# KiCad board MB1635_good_conversion.kicad_pcb (continued)
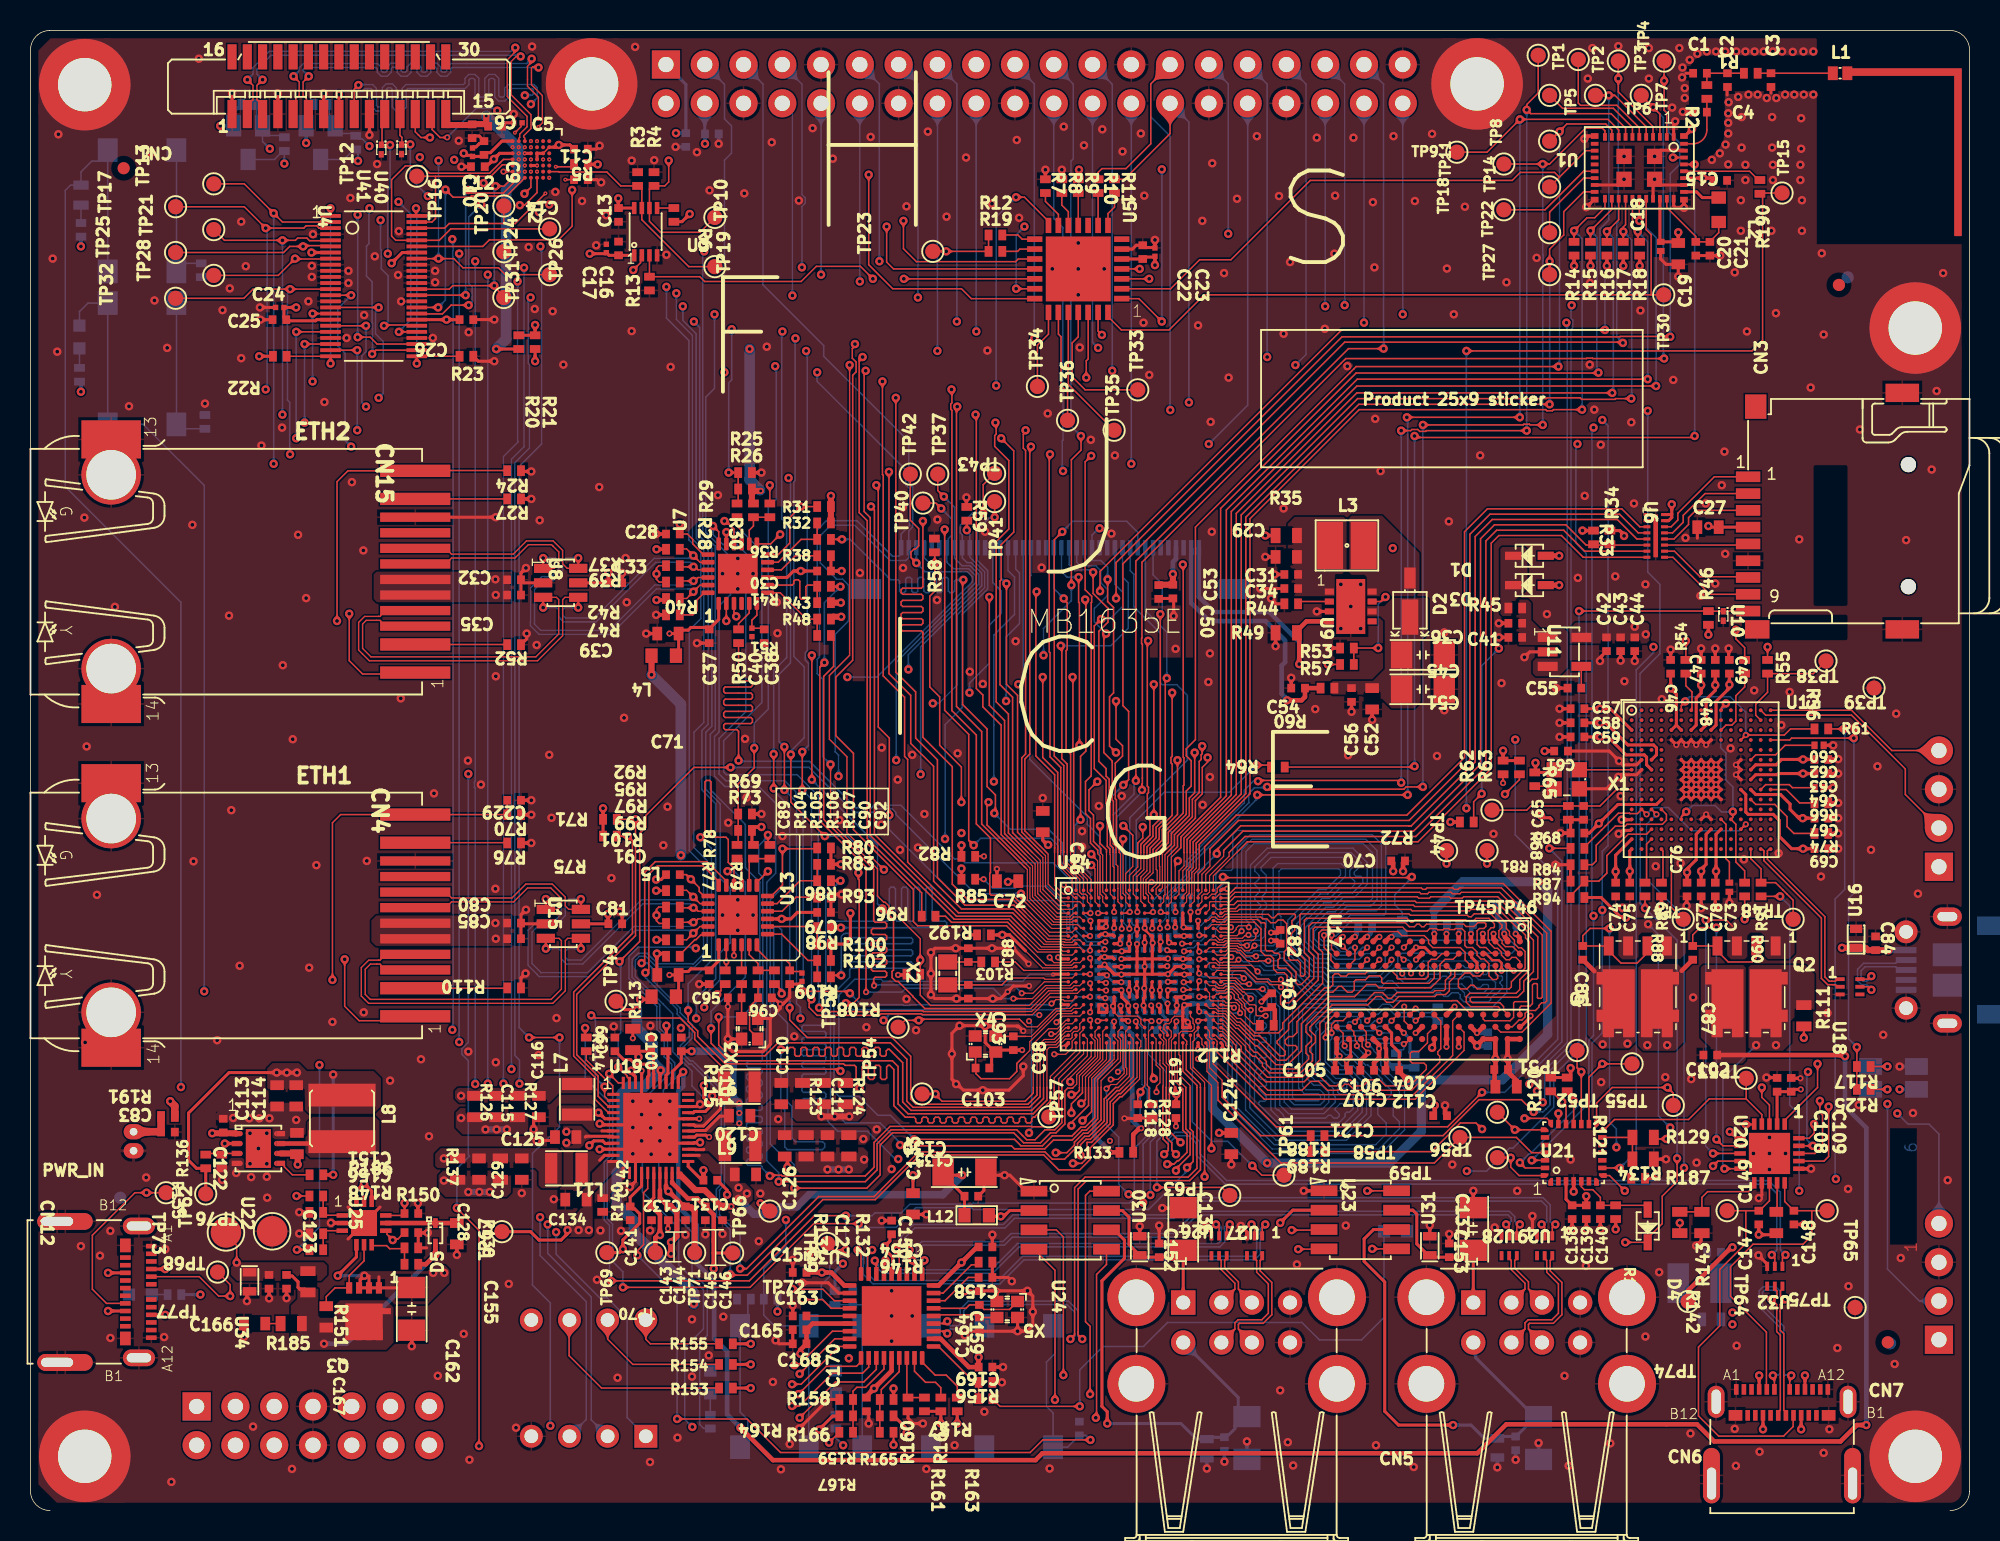
[diagram p0: board, top side]
## Nets (continued)
DDR_ODT: U14.J21 U17.K1
DDR_RASN: U14.K20 U17.J3
DDR_RESETN: R176.2 U14.H17 U17.T2
DDR_WEN: U14.K19 U17.L3
DFSDM1_CKOUT: CN8.13 U14.W6
DFSDM1_DATIN3: CN8.15 U14.W4
ETH1_CLK: R107.1 U14.Y1
ETH1_CRS_DV: R86.1 U14.Y9
ETH1_MDC: U13.13 U14.V3
ETH1_MDINT: R104.1 U14.L4
ETH1_MDIO: R80.1 U13.12 U14.Y4
ETH1_NRST: R69.1 R73.1 R77.1 U5.26
ETH1_RX_CLK: R79.1 U14.AA3
ETH1_RXD0: R98.1 U14.Y7
ETH1_RXD1: R109.1 U14.AA7
ETH1_TX_EN: U13.16 U14.AA2
ETH1_TXD0: U13.17 U14.AA9
ETH1_TXD1: U13.18 U14.Y10
ETH2_CLK: R50.1 U14.H5
ETH2_CRS_DV: R36.1 U14.F4
ETH2_MDC: U7.13 U14.G3
ETH2_MDINT: R30.1 U14.H4
ETH2_MDIO: R31.1 U7.12 U14.J3
ETH2_NRST: R25.1 R26.1 R28.1 U5.27
ETH2_RXD0: R41.1 U14.N2
ETH2_RXD1: R51.1 U14.N1
ETH2_TX_EN: U7.16 U14.G1
ETH2_TXD0: U7.17 U14.P3
ETH2_TXD1: U7.18 U14.R2
EXP_GPIO2: CN1.14 CN8.3 CN16.40 R108.1 R166.1 R170.2 TR1.3 U14.N3
EXP_GPIO3: CN1.13 CN8.5 CN16.39 R82.1 R167.1 R171.2 TR2.3 U14.C5
EXP_GPIO4: CN8.7 U14.Y8
EXP_GPIO5: CN8.29 TP50.1 U14.T2
EXP_GPIO6: CN8.31 R96.2
EXP_GPIO7: CN8.26 U14.H3
EXP_GPIO8: CN8.24 U14.K3
EXP_GPIO9: CN8.21 U14.P2
EXP_GPIO10: CN8.19 U14.R3
EXP_GPIO11: CN8.23 U14.J1
EXP_GPIO12: CN8.32 U14.W10
EXP_GPIO13: CN8.33 R85.1
EXP_GPIO14: CN8.8 U14.W5
EXP_GPIO15: CN8.10 U14.W8
EXP_GPIO16: CN8.36 U14.V6
EXP_GPIO17: CN8.11 U14.AA10
EXP_GPIO18: CN8.12 U14.AA6
EXP_GPIO19: CN8.35 U14.Y6
EXP_GPIO20: CN8.38 U14.Y5
EXP_GPIO21: CN8.40 U14.Y3
EXP_GPIO23: CN8.16 U14.R1
EXP_GPIO24: CN8.18 U14.W1
EXP_GPIO25: CN8.22 U14.P5
EXP_GPIO26: CN8.37 U14.E8
HSE_IN: C98.2 U14.T3 X4.3
HSE_OUT: C103.1 U14.U2 X4.1
I2C1_SCL: CN8.28 R11.1 R62.1 U14.A6 U21.26
I2C1_SDA: CN8.27 R10.1 R63.1 U14.B9 U21.27
I2C4_SCL: R75.1 U14.A9 U19.4
I2C4_SDA: R71.1 U14.A15 U19.3
I2C5_SCL_1V8: R169.1 R171.1 TR2.2 U2.F5
I2C5_SDA_1V8: R168.1 R170.1 TR1.2 U2.G6
I_SENSE_VDD: C110.2 C111.1 CN14.14 L6.2 R123.1 R124.1
I_SENSE_VDD CPU: C115.1 C116.2 CN14.2 L7.2 R126.1 R127.1
I_SENSE_VDD_CORE: C126.2 C127.1 CN14.10 L9.2 R131.1 R132.1
I_SENSE_VDD_DDR: C128.1 C129.2 CN14.4 L11.2 R137.1 R138.1
I_SENSE_VDD_USB: C100.2 CN14.6 R113.1 U19.39
ISENSE_MEAS: TP53.1 U20.4 U21.14
LCD_B2: CN16.23 U14.D6
LCD_B3: CN16.24 U14.D11
LCD_B4: CN16.25 U14.B8
LCD_B5: CN16.26 U14.B6
LCD_B6: CN16.27 U14.C1
LCD_B7: CN16.28 U14.B11
LCD_BL: R57.1 U14.A4
LCD_BL_A: C54.2 CN16.2 R60.2
LCD_BL_K: CN16.1 R49.2 U9.4
LCD_CLK: CN16.30 TP41.1 U14.C9
LCD_DE: CN16.34 TP40.1 U14.C12
LCD_DISP: CN16.31 R59.2 U14.AA20
LCD_G2: CN16.15 U14.A12
LCD_G3: CN16.16 U14.A13
LCD_G4: CN16.17 U14.C8
LCD_G5: CN16.18 U14.A7
LCD_G6: CN16.19 U14.C13
LCD_G7: CN16.20 U14.B4
LCD_HSYNC: CN16.32 TP43.1 U14.B14
LCD_INT: CN16.38 TP42.1 U14.B3
LCD_R2: CN16.7 U14.A10
LCD_R3: CN16.8 U14.C11
LCD_R4: CN16.9 U14.C4
LCD_R5: CN16.10 U14.D8
LCD_R6: CN16.11 U14.A3
LCD_R7: CN16.12 U14.B7
LCD_RST: CN16.37 R58.1 U14.E2
LCD_VSYNC: CN16.33 TP37.1 U14.B10
LED_G: R183.1 U5.3
LED_Y: R184.1 U5.4
LPO_32: R190.1 TP15.1 U14.P4
MCO1: TP54.1 U3.2 U14.V1
MCP_INT: R12.1 R19.1 TP23.1 U14.W2
MCP_IO2: R13.2 U3.3 U5.19
MCP_IO11: TP30.1 U1.28 U5.28
NetB1_3: B1.3 B1.4 R173.1
NetB2_3: B2.3 B2.4 R175.1
NetB3_3: B3.3 B3.4 C228.2 U19.17
NetB4_3: B4.3 B4.4 R182.1
NetC1_2: C1.2 C2.2 R1.2 R2.1
NetC3_2: C3.2 L1.1 R1.1
NetC4_2: C4.2 R2.2 U1.41
NetC5_2: C5.2 U2.F2
NetC14_2: C14.2 U2.D4
NetC20_2: C20.2 C21.2 L2.2 U1.31
NetC28_2: C28.2 C32.2 C33.1 C35.2 C37.2 C39.1 CN15.5 CN15.6 L4.1 R37.2 R39.2 R40.2 R42.2 U7.1 U7.19 U8.5
NetC36_1: C36.1 C41.2 R45.2 U11.1 U11.3
NetC38_2: C38.2 C40.2 U7.6
NetC55_2: C55.2 U11.4
NetC60_2: C60.2 U12.F13
NetC64_2: C64.2 U12.J14
NetC71_2: C71.2 C80.2 C81.1 C85.2 C89.2 C91.1 CN4.5 CN4.6 L5.1 R92.2 R95.2 R97.2 R99.2 U13.1 U13.19 U15.5
NetC73_2: C73.2 U12.M10
NetC83_2: C83.2 CN11.1 R191.2
NetC87_2: C87.2 Q1.7 Q1.8 Q2.7 Q2.8 R111.2 U20.10
NetC88_1: C88.1 R103.2 X2.1
NetC90_2: C90.2 C92.2 U13.6
NetC93_1: C93.1 U14.M2 X2.2
NetC95_2: C95.2 R105.1 X3.3
NetC96_2: C96.2 R106.1 X3.1
NetC99_1: C99.1 U19.40
NetC136_2: C136.2 C152.2 CN5.T1 U24.7 U30.1
NetC137_2: C137.2 C153.2 CN6.T1 U23.7 U31.1
NetC140_2: C140.2 D4.1 R141.1 U21.5
NetC142_2: C142.2 TP70.1 U19.18
NetC147_2: C147.2 CN7.B5 TP64.1 U20.13
NetC148_2: C148.2 CN7.A5 TP65.1 U20.15
NetC149_2: C149.2 U20.14
NetC151_2: C151.2 CN12.B5 TP73.1 U25.9
NetC155_1: C155.1 D5.2 U25.8
NetC156_2: C156.2 CN12.A5 TP77.1 U25.7
NetC158_2: C158.2 U33.34
NetC159_2: C159.2 U33.33 X5.1
NetC160_1: C160.1 C167.2 D5.1 Q3.5 Q3.6 Q3.7 Q3.8 R150.2 R151.2 R185.2
NetC161_2: C161.2 CN12.A4 CN12.A9 CN12.B4 CN12.B9 R151.1 TP68.1 U34.1
NetC163_2: C163.2 U33.14
NetC164_2: C164.2 U33.32 X5.3
NetC166_2: C166.2 R185.1
NetC167_1: C167.1 Q3.4 U25.5
NetC216_1: C216.1 U14.W15
NetC217_1: C217.1 U14.V14
NetC219_1: C219.1 C220.2 R133.1 U14.W7
NetC221_2: C221.2 C222.2 CN7.A4 CN7.A9 CN7.B4 CN7.B9 R111.1 R129.2 R142.2 TP74.1 U20.9 U36.1
NetC224_2: C224.2 C226.2 CN6.B1 U23.6 U38.1
NetC225_2: C225.2 C227.2 CN5.B1 U24.6 U39.1
NetC229_2: C229.2 CN4.12 R70.2 R104.2 U13.2
NetCN3_1: CN3.1 U6.14
NetCN3_2: CN3.2 U6.13
NetCN3_3: CN3.3 U6.12
NetCN3_5: CN3.5 U6.11
NetCN3_7: CN3.7 U6.10
NetCN3_8: CN3.8 U6.9
NetCN4_1: CN4.1 U13.3
NetCN4_2: CN4.2 R110.2
NetCN4_11: CN4.11 R76.2
NetCN15_1: CN15.1 U7.3
NetCN15_2: CN15.2 R52.2
NetCN15_11: CN15.11 R27.2
NetCN15_12: CN15.12 R24.2 U7.2
NetD1_2: D1.2 D3.2 R45.1
NetD2_1: D2.1 L3.2 U9.8
NetL2_1: L2.1 U1.34
NetL6_1: L6.1 U19.29
NetL7_1: L7.1 U19.7
NetL8_1: L8.1 U22.7
NetL9_1: L9.1 U19.25
NetL11_1: L11.1 U19.11
NetL12_2: L12.2 U23.2 U24.2
NetLD1_1: LD1.1 R152.1
NetLD2_1: LD2.1 R157.1
NetLD3_1: LD3.1 R172.1
NetLD4_1: LD4.1 R174.1
NetLD5_1: LD5.1 R125.1
NetLD5_2: LD5.2 R117.1
NetLD6_1: LD6.1 R184.2
NetLD7_1: LD7.1 R183.2
NetR3_1: R3.1 TP19.1 U2.A6 U3.7
NetR4_1: R4.1 TP10.1 U2.F3 U3.6
NetR5_2: R5.2 U2.B4
NetR6_1: R6.1 U3.5
NetR7_2: R7.2 U5.13
NetR8_2: R8.2 U5.12
NetR9_2: R9.2 U5.11
NetR10_2: R10.2 U5.9
NetR11_2: R11.2 U5.8
NetR12_2: R12.2 U5.15
NetR19_2: R19.2 U5.16
NetR22_1: R22.1 U4.1 U4.24
NetR23_1: R23.1 U4.25 U4.48
NetR28_2: R28.2 U7.15
NetR29_1: R29.1 R30.2 U7.14
NetR32_1: R32.1 R36.2 U7.11
NetR38_1: R38.1 U7.10
NetR41_2: R41.2 R43.1 U7.8
NetR44_2: R44.2 U9.2
NetR47_1: R47.1 U7.24
NetR48_1: R48.1 R51.2 U7.7
NetR50_2: R50.2 U7.5
NetR53_2: R53.2 R57.2 U9.7
NetR54_1: R54.1 U12.A7
NetR55_1: R55.1 U12.C10
NetR56_2: R56.2 TP38.1 U12.B14
NetR64_2: R64.2 U14.C10
NetR65_2: R65.2 X1.1
NetR66_2: R66.2 U12.J15
NetR77_2: R77.2 U13.15
NetR78_1: R78.1 R79.2 U13.14
NetR83_1: R83.1 R86.2 U13.11
NetR84_2: R84.2 U12.L4
NetR85_2: R85.2 U14.J5
NetR87_2: R87.2 R94.1 U12.N3
NetR91_2: R91.2 TP48.1 U12.R13
NetR93_1: R93.1 U13.10
NetR96_1: R96.1 U14.J2
NetR98_2: R98.2 R100.1 U13.8
NetR101_1: R101.1 U13.24
NetR102_1: R102.1 R109.2 U13.7
NetR103_1: R103.1 U14.L3
NetR105_2: R105.2 U13.4
NetR106_2: R106.2 R107.2 U13.5
NetR112_2: R112.2 U14.R20
NetR114_2: R114.2 U19.1
NetR115_2: R115.2 U19.37
NetR128_1: R128.1 U14.W12
NetR135_1: R135.1 R136.2 U22.3
NetR140_2: R140.2 U19.13
NetR142_1: R142.1 R143.2 U20.11
NetR146_2: R146.2 U33.35
NetR148_2: R148.2 R150.1 U25.6
NetR153_1: R153.1 SW1.6
NetR154_1: R154.1 SW1.7
NetR155_1: R155.1 SW1.8
NetR156_2: R156.2 R157.2 U33.28
NetR158_2: R158.2 R164.1 R166.2 U33.22
NetR159_2: R159.2 R165.1 R167.2 U33.24
NetR160_2: R160.2 R161.1 U33.25
NetR162_2: R162.2 U33.26
NetR163_1: R163.1 U33.27
NetR179_2: R179.2 U17.L8
NetR186_1: R186.1 U22.5
NetR190_2: R190.2 U1.37
NetR191_1: R191.1 R192.1 U14.L2
NetTP2_1: TP2.1 U1.6
NetTP5_1: TP5.1 U1.7
NetTP12_1: TP12.1 U2.G5 U4.47
NetTP16_1: TP16.1 U2.E5 U4.46
NetTP18_1: TP18.1 U1.17
NetTP20_1: TP20.1 U2.G4 U4.44
NetTP22_1: TP22.1 U1.18
NetTP24_1: TP24.1 U2.E4 U4.43
NetTP26_1: TP26.1 U2.F4 U4.41
NetTP31_1: TP31.1 U2.G7 U4.36
NetTP33_1: TP33.1 U5.25
NetTP34_1: TP34.1 U5.22
NetTP35_1: TP35.1 U5.24
NetTP36_1: TP36.1 U5.23
NetTP45_1: TP45.1 U14.P18
NetTP46_1: TP46.1 U14.P17
NetTP52_1: TP52.1 U20.1 U21.16
NetTP55_1: TP55.1 U20.3 U21.15
NetTP57_1: TP57.1 U14.W3
NetU2_C6: U2.C6 U4.27
NetU2_C7: U2.C7 U4.26
NetU2_D6: U2.D6 U4.30
NetU2_D7: U2.D7 U4.29
NetU2_E6: U2.E6 U4.32
NetU2_E7: U2.E7 U4.33
NetU2_F7: U2.F7 U4.35
NetU12_G1: U12.G1 X1.3
notOC1: U23.8 U33.13
notOC2: U23.5 U33.17
notOC3: U24.8 U33.19
notOC4: U24.5 U33.21
NRST: B5.1 B5.2 C118.1 C223.2 D4.2 R88.2 R114.1 R180.1 TP29.1 U5.14 U14.Y11 U37.1
PA13: B2.1 B2.2 LD4.2 U14.T4
PA14: B1.1 B1.2 LD3.2 U14.W13
PF8_WKUP: U14.F1 U19.43
PH4: R188.2 R189.2 U14.Y19
PMIC_WAKEUP: U14.M3 U19.2
PRTPWR1: U23.3 U33.12
PRTPWR2: U23.4 U33.16
PRTPWR3: U24.3 U33.18
PRTPWR4: U24.4 U33.20
PWR_LP: TP61.1 U14.V19
PWR_NJTRST: TP63.1 U14.V11
PWR_ON: U14.U17 U19.44
PWR_ON_DB: C102.2 Q2.5 Q2.6 U19.35
RD1_N: CN4.8 R97.1 U13.22 U15.6
RD1_P: CN4.7 R99.1 U13.23 U15.1
RD2_N: CN15.8 R40.1 U7.22 U8.6
RD2_P: CN15.7 R42.1 U7.23 U8.1
SDMMC1_CK: R33.2 R34.1 U6.6 U14.A19
SDMMC1_CMD: U6.5 U14.C19
SDMMC1_D0: U6.7 U14.C18
SDMMC1_D1: U6.8 U14.A20
SDMMC1_D2: U6.3 U14.A18
SDMMC1_D3: U6.4 U14.B18
SDMMC2_CK: TP27.1 U1.20 U14.B17
SDMMC2_CMD: R14.2 U1.22 U14.C17
SDMMC2_D0: R16.2 U1.24 U14.B16
SDMMC2_D1: R18.2 U1.26 U14.B15
SDMMC2_D2: R15.2 U1.23 U14.C14
SDMMC2_D3: R17.2 U1.25 U14.C16
SNK_GDCG: C87.1 Q2.2 Q2.4 U20.7
SNK_GDCS: Q2.1 Q2.3 U20.8
SRC_GDCG: C86.1 Q1.2 Q1.4 U20.5
SRC_GDCS: Q1.1 Q1.3 U20.6
STLINK_SWCLK: R90.2 U14.Y2
STLINK_SWDIO: R81.2 U14.Y12
STLINK_SWO: R61.2 U14.W18
STLK_LED: R117.2 R125.2 U12.D15
STLK_RST: C65.2 R68.1 TP44.1 U12.J1
STLK_SWCLK: CN9.2 U12.A14
STLK_SWDIO: CN9.4 U12.A15
STLK_VCP2_RX: R91.1 U21.8
STLK_VCP2_TX: R56.1 R187.1 U21.9
STM32G0_I2C2_SCL: R121.2 U20.18 U21.18
STM32G0_I2C2_SDA: R120.1 U20.17 U21.19
STM32G0_INTN: TP59.1 U14.N5 U21.28
STM32G0_SWCLK: CN13.2 U21.21
STM32G0_SWDIO: CN13.4 U21.20
STM32G0_WAKE: TP58.1 U14.AA19 U21.25
STMIPI_ERROR: TP25.1 U4.6 U5.18
STMIPI_INT: TP28.1 U4.8 U5.17
T_JTDI: R189.1 U12.L3
T_NRST: R88.1 U12.P3
T_PWR_EN: TP47.1 U12.R5
T_PWR_EXT: R89.2 U12.R4
T_SWCLK: R90.1 U12.A10 U12.M6 U12.M11
T_SWDIO: R81.1 U12.L2 U12.N12
T_SWO: R61.1 U12.A6 U12.D12
TAMP_BTN: B4.1 B4.2 R181.1 U14.U10
TD1_N: CN4.4 R92.1 U13.20 U15.4
TD1_P: CN4.3 R95.1 U13.21 U15.3
TD2_N: CN15.4 R37.1 U7.20 U8.4
TD2_P: CN15.3 R39.1 U7.21 U8.3
UART4_RX: R54.2 R72.1 U14.B5
UART4_TX: R55.2 U14.D2
USART2_CTS: TP6.1 U1.5 U14.B2
USART2_RTS: TP3.1 U1.4 U14.C7
USART2_RX: TP7.1 U1.3 U14.E9
USART2_TX: TP4.1 U1.2 U14.D3
USB1CN25_N: CN6.T2 U28.5
USB1CN25_P: CN6.T3 U28.6
USB2CN25_N: CN6.B2 U29.5
USB2CN25_P: CN6.B3 U29.6
USB3CN26_N: CN5.T2 U26.5
USB3CN26_P: CN5.T3 U26.6
USB4CN26_N: CN5.B2 U27.5
USB4CN26_P: CN5.B3 U27.6
USB_D1_N: U14.AA16 U33.30
USB_D1_P: U14.Y16 U33.31
USB_D2_N: U14.Y13 U32.2
USB_D2_P: U14.AA13 U32.1
USB_DCONN_N: CN7.A7 CN7.B7 U32.5
USB_DCONN_P: CN7.A6 CN7.B6 U32.6
USB_DEV_HS_CN_N: CN10.2 U18.5
USB_DEV_HS_CN_P: CN10.3 U18.6
USB_DEV_HS_N: U12.R14 U18.2
USB_DEV_HS_P: U12.R15 U18.1
USB_PWR_CC1: R149.2 U14.AA4
USB_PWR_CC2: R144.2 U14.W9
USBC_EN: TP56.1 U20.20 U21.22
USBC_INTn: TP51.1 U20.19 U21.17
USBDN1_N: U28.2 U33.1
USBDN1_P: U28.1 U33.2
USBDN2_N: U29.2 U33.3
USBDN2_P: U29.1 U33.4
USBDN3_N: U26.2 U33.6
USBDN3_P: U26.1 U33.7
USBDN4_N: U27.2 U33.8
USBDN4_P: U27.1 U33.9
uSD_DETECT: CN3.9 R46.2 R188.1 U10.1
VH: C45.2 C51.2 C52.2 C56.2 D2.2 R60.1 U9.6
VL: C29.1 C31.2 C34.2 L3.1 R35.2 U9.1
VREF_DDR: C107.1 C141.2 C180.1 C210.1 TP69.1 U14.T18 U17.H1 U17.M8 U19.16
WL_HOST_WAKE: U1.27 U14.A16

Pads without a net: CN1 16 17 18 19 20 21 22 23 24 25 26 27 28 29 30; CN3 13; CN4 9; CN7 A2 A3 A8 A10 A11 B2 B3 B8 B10 B11; CN10 4; CN12 A2 A3 A6 A7 A8 A10 A11 B2 B3 B6 B7 B8 B10 B11; CN14 11 12; CN15 9; CN16 5 6 13 14 21 22; Designator1 1; Designator2 1; Designator3 1; Designator4 1; Designator5 1; Designator6 1; L1 2; SW1 5; U1 13 15 16; U2 A1 A3 A5 B1 B2 B5 B6 B7 C2; U5 7 10; U6 1 2; U7 4; U9 5; U12 A1 A2 A3 A4 A5 A8 A9 A11 A12 A13 B1 B2 B3 B4 B5 B6 B7 B8 B9 B10 B11 B12 B13 B15 C2 C3 C4 C11 C12 C13 C14 C15 D1 D2 D3 D4 D10 D11 D13 D14 E1 E2 E3 E4 E12 E13 E14 E15 F1 F4 F14 F15 G4 G14 G15 H1 H2 H3 H4 H14 H15 J2 J3 J4 K1 K2 K3 K12 K14 K15 L1 L12 L13 L14 L15 M2 M3 M4 M5 M7 M12 M13 M14 M15 N2 N4 N5 N6 N7 N11 N13 N14 N15 P2 P4 P5 P6 P7 P8 P9 P10 P11 P12 P13 P14 P15 R2 R3 R6 R7 R8 R9 R10 R11 R12; U17 J1 J9 L1 L9; U18 4; U19 14 33 34; U21 1 2 6 7 10 11 12 23 24; U22 9; U25 11; U26 4; U27 4; U28 4; U29 4; U32 4

## Via types
v1: diameter 0.55, hole 0.25, Top Layer to Bottom Layer, 1438 vias
v2: diameter 0.4, hole 0.2, Top Layer to Bottom Layer, 276 vias
v3: diameter 0.26, hole 0.1, Top Layer to Signal Layer 1, 29 vias

## Routing (per net, layer and track width the routed paths; a pad name or vN(x,y) marks a point on that pad's centre or on a via; arc(x,y) is an arc through that point)
1V8_PERIPH: length 31.2
  Top Layer w0.1: U2.B3 U2.A2
  Top Layer w0.2: v1(28.38,88.95) 28.47,88.95 28.6,88.82 28.88,88.82 C10.2 29.59,88.75 C9.2 ; v1(23.65,81.75) 24.35,82.45 U4.42 ; U2.B3 U2.C3 U2.C4 ; 42.02,21.55 U19.21 ; U3.8 C13.2 38.5,85.38 v1(38.5,86) ; U2.G3 30.72,88.95 29.85,88.08 C12.2 ; 29.7,88.95 29.74,88.99 30.12,88.99 30.88,89.75 U2.G1 ; v1(14.98,75.65) R22.2 ; 44.75,16.88 TP72.1 ; U4.31 C26.2 ; U2.A2 34.45,89.35 v1(34.6,89.5) 35.32,89.5 C11.2 ; R5.1 v1(37.15,88.23)
  Top Layer w0.3: 44.22,19.93 44.33,19.82 44.33,19.8 44.75,19.38 v1(44.75,15.85) ; 42.02,21.55 42.02,21.47 43.05,20.45 43.67,20.45 44.07,20.06 44.07,20.03 44.18,19.93 C145.2
  Bottom Layer w0.2: v1(12.42,90.75) TR2.1 13.3,91.65 R169.2 ; v1(18.05,89.62) TR1.1 18.05,91.65 R168.2
  vias: v1(27.25,78.05) v1(30.35,88.58)
3V3_AO: length 48.1
  Top Layer w0.2: v1(73.65,81.63) C23.2 73.6,82.15 72.97,82.15 C22.2 U5.5 ; v1(39.92,33.5) 40.5,33.5 L5.2 ; R115.1 41.65,31.03 41.65,31.03 41.65,31.03 v1(41.65,31.78) ; R78.2 47.25,43.73 R73.2 47.47,44.8 v1(47.87,44.8) ; R9.1 68.67,87.3 v1(68.67,87.88) ; U1.30 106.72,83.2 C18.2 107.85,83.15 C19.2 v1(107.92,83.78) ; v1(53.08,42.35) R83.2 R80.2 ; R186.2 v1(19.82,22) ; R102.2 R100.2 53.35,37.13 53.7,37.48 v1(53.7,39.15) ; v1(17.45,28.7) v1(16.79,28.7) v1(16.13,28.7) 13,28.7 10.35,26.05 10.35,22.95 10.88,22.43 R135.2 TP62.1 ; U13.9 49.8,38.78 50.22,39.2 C79.2
  Bottom Layer w0.2: v1(19.82,22) v1(19.82,28.58) ; v1(42.27,90.28) C7.1 42.93,93.47 CN8.1
  vias: v1(49.2,38.78)
3V3_STLK: length 81.1
  Top Layer w0.2: C67.2 v1(116.08,45.38) 115.83,45.38 115.25,45.95 115.25,46.3 114.62,46.93 113,46.93 U12.J13 ; C75.2 v1(104.75,41.9) 104.75,43.23 U12.R1 ; U12.K4 106.5,46.28 103.98,46.28 v1(102.73,45.03) 102.1,44.4 C68.2 ; U12.J12 112.35,46.93 112.35,45.78 112.5,45.63 114.15,45.63 114.55,45.23 114.55,44.18 115.35,43.38 v1(116.1,43.38) C69.2 ; U12.C7 109.1,51.48 109.1,53.25 109.42,53.58 v1(109.42,54.1) C47.2 ; C49.2 111.28,53.9 110.4,53.03 110.4,51.48 U12.C9 ; C74.2 v1(103.83,41.88) 103.83,42.95 U12.P1 ; C76.2 v1(108.5,41.83) 108.5,42.05 109.1,42.65 109.1,44.33 U12.N8 ; C59.2 v1(102.8,50.7) 103.33,50.7 104.5,49.53 105.7,49.53 105.85,49.38 105.85,48.88 U12.G3 ; U12.G13 113,48.88 114.35,48.88 114.7,49.23 v1(116.1,49.23) C62.2 ; X1.4 99.62,48.38 R65.1 98.58,48.43 v1(98.58,49) ; 107.8,51.48 107.8,53.51 v1(107.43,53.89) C46.2 ; 107.8,51.48 U12.C6 ; 107.8,51.48 U12.C5 ; C77.2 v1(109.42,41.9) 109.42,42.03 109.75,42.35 109.75,44.33 U12.N9 ; U12.C8 109.75,51.48 109.75,53.15 110.35,53.75 v1(110.35,54.1) C48.2 ; v1(106.83,39.63) R89.1 ; C57.2 v1(102.8,52.55) 103.48,52.55 U12.C1 ; v1(99.17,49.78) C61.2 ; U12.F3 106.5,49.53 106.5,49.98 106.31,50.18 104.62,50.18 103.17,51.63 v1(102.8,51.63) C58.2 ; U12.H13 113,48.23 114.4,48.23 114.47,48.3 v1(116.1,48.3) C63.2 ; U12.N10 110.4,44.33 v1(110.4,41.9) 110.4,41.2 C78.2
  Bottom Layer w0.2: v1(122.42,27.6) LD5.3
  vias: v1(105.08,57.93) v1(105.8,57.43) v1(111.27,54.13)
3V3_SW: length 177
  Top Layer w0.2: v1(51.65,5.3) 52.54,6.19 52.96,6.19 R164.2 ; TP49.1 38.9,32.83 39.7,32.83 v1(39.72,32.8) ; U33.5 56.48,15.58 56.48,16.6 55.92,17.15 v1(55.92,17.3) 56.29,17.66 56.29,17.99 C150.2 ; v1(30.5,76.13) R20.2 ; v1(60.7,5.7) R163.2 ; R165.2 56.55,6.2 57.38,5.37 v1(57.38,5.09) ; C30.2 v1(50.45,61.58) 49.97,61.58 49.55,61.15 U7.9 ; v1(59.63,5.7) R162.1 R161.2 ; v1(41.28,28.85) 41.23,28.8 U19.38
  Top Layer w0.3: v1(62.1,10.05) C169.2 61.46,9.4 59.61,11.25 U33.29 ; v1(60.97,16.25) 59.48,14.75 U33.36 ; v1(60.97,16.25) 61.08,16.25 ; v1(60.97,16.25) 62,17.28 C154.2 ; C170.2 54.75,7.5 v1(55.25,8) 56.4,9.15 U33.23 ; v1(50.43,10.28) 50.43,10.53 C168.2 C165.2 51.22,12.25 U33.15 ; U33.10 53.3,14.75 52.45,15.6 C157.2
  Top Layer w0.4: 74.83,61.38 v1(74.83,61.37) 74.83,60.68 74.83,60.67 73.9,60.67 ; v1(53.1,58.58) 52.58,58.58 R48.2 ; v1(40.67,54.78) L4.2 ; v1(52.42,66.5) R31.2 R32.2 ; C6.2 29.97,90.75 29.92,90.81 29.86,90.81 29.8,90.86 28.94,90.86 C117.2 28.88,90.8 27.3,90.8 27.2,90.9 CN1.15 ; R43.2 v1(53.08,59.5) ; 29.85,90.95 v2(29.85,91.4) ; R29.2 47.25,66.1 R26.2 47.37,66.83 v2(47.83,66.83)
  Signal Layer 2 w0.5: v1(52.42,66.5) 55.95,66.5 56.52,67.08 62,67.08 ; v1(30.5,76.13) 30.5,76.13
  Signal Layer 2 w0.7: v1(51.83,15.6) 50.9,15.6 50.85,15.65 49.28,15.65 47.18,13.55 v1(43.45,13.55) ; 62,67.08 66.55,67.08 68.87,64.75 68.87,63.88 69.92,62.83 73.37,62.83 v1(74.83,61.37) ; 30.5,76.13 v1(47.1,76.13)
  Signal Layer 4 w0.7: v1(42.6,42.95) 43.05,42.95 44.33,41.68 44.33,36.43 40.67,32.78 39.75,32.78
  Bottom Layer w0.3: CN16.4 75.02,62.37 74.83,62.17 v1(74.83,61.37)
  Bottom Layer w0.7: v2(29.85,91.4) 31.95,89.3 31.95,87.33 31.15,86.53 31.15,76.78 30.54,76.16 ; v1(43.45,13.55) 43.45,14.25 39.52,18.18 39.52,18.98 38.4,20.1 38.4,22.13 38.72,22.45 38.72,27.31 39.19,27.78 40.2,27.78 v1(41.28,28.85) 40.74,29.39 40.74,30.58 39.72,31.61 v1(39.72,32.8) ; v1(47.1,76.13) 47.1,67.55 47.78,66.87 ; v1(42.6,42.95) 42.6,52.85 v1(40.67,54.78)
5V_USB_CHGR: length 47.7
  Top Layer w0.3: D3.1 v1(100.13,60.65)
  Top Layer w0.4: v1(118.65,36.88) U16.1 120.2,36.88 120.35,36.73 C84.2 v1(121.7,36.73)
  Signal Layer 4 w0.5: v1(100.13,60.65) 100.13,55.15 97.87,52.9 97.87,43.38 100.37,40.88 100.97,40.29 100.97,38.73 102.17,37.53 118,37.53 v1(118.65,36.88)
  Bottom Layer w0.4: v1(121.7,36.73) CN10.1
5V_VIN: length 79.5
  Top Layer w0.2: U19.8 38.12,24.53 36.39,24.53 36.34,24.48 ; 42.61,22.13 U19.22 42.6,21.95 ; Q3.2 Q3.3 21.59,14.66 21.59,15.11 v1(21.87,15.39) ; Q3.2 Q3.1 ; Q3.2 22.17,15.36 ; C162.1 24.94,14.59 Q3.1 ; Q3.1 22.82,15.31 ; U19.24 43.8,23.28 ; U19.36 42.05,28.05 42.05,28.78 42.62,29.35 C101.2 v1(43.3,30.1) ; v1(80.87,63.9) R35.1 ; v1(20.12,15.39) 21.34,16.61 U25.4 ; L12.1 C135.2 59.77,22 C130.2 59.97,21.98 v1(61.02,21.98) ; TP67.1 32.75,18.28 33.3,17.73 34.75,17.73 35.18,18.15 v1(35.18,18.38) ; 41.22,21 U19.19 ; 45.75,25.85 45.75,25.85 45.15,25.85 44.2,24.9 43.51,24.9 43.48,24.88 U19.28
  Top Layer w0.3: 41.22,21 41.22,20.47 C143.2 ; D1.1 v1(100.13,62.58) ; C86.2 102.43,35.35 ; 42.6,21.85 42.6,21.95
  Top Layer w0.35: 41.97,19.92 42.33,19.56 42.33,17.96 v1(41.95,17.58) v1(41.95,16.83)
  Top Layer w0.4: v1(11.9,24.73) 13.42,24.73 U22.1 ; 45.16,19.99 44.15,21 43.55,21 42.6,21.95 ; U22.6 17.4,23.4 C123.2 17.53,23.28 17.5,23.25 v1(17.5,22.68) ; 45.25,19.93 v2(45.9,19.93) ; C143.2 41.97,19.92
  Signal Layer 1 w0.4: v2(46.42,26.7) v2(46.42,26.05) v2(46.42,25.38) ; v1(35.18,18.38) v1(35.9,18.38) v1(36.58,18.38)
  Signal Layer 2 w0.4: v2(46.42,26.7) v2(46.42,26.05) v2(46.42,25.38)
  Signal Layer 3 w0.4: v2(46.42,26.7) v2(46.42,26.05) v2(46.42,25.38)
  Signal Layer 4 w0.4: v2(46.42,25.38) v2(46.42,26.05) v2(46.42,26.7)
  Bottom Layer w0.2: R152.2 v1(11.12,14.15) ; v1(20.12,15.39) v1(21.87,15.39) ; v1(44.17,89.58) C8.2 44.16,90.24 CN8.4
  Bottom Layer w0.4: v2(46.42,25.38) v2(46.42,26.05) v2(46.42,26.7)
  Bottom Layer w0.5: 46.01,27.09 46.4,26.7 v2(46.42,26.7) ; 46.01,27.09 46.01,29.17 45.08,30.1 v1(43.3,30.1) ; 46.01,27.09 46.01,27.73 ; v1(61.02,21.98) 59.75,20.7 51,20.7 50.2,19.9 49.15,19.9 48.67,19.43 47.37,19.43 v1(46.37,20.43)
  vias: v1(26.38,15.58) v1(27.1,15.58) v1(35.1,24.83) v1(35.1,24.1) v1(46.37,21.15) v1(46.93,20.78) v1(102.97,30.55) v1(104.6,30.6)
GND: length 429.6
  Top Layer w0.075: v2(67.2,32) 67.6,32.4 68.72,32.4 U14.U3 ; v2(73.43,41.2) 73.23,41 73.23,40.52 73.45,40.3 73.45,40.17 73.47,40.16 ; U14.Y14 74.46,31.16 74.46,31.31 74.23,31.55 74.23,31.8 74.33,31.9 74.58,31.9 74.72,32.05 74.72,32.19 74.93,32.4 75.47,32.4
  Top Layer w0.09: v2(90.73,31.3) 90.75,31.3 ; v2(87.63,30) 87.22,30.41 87.22,30.83 87.15,30.9 ; v2(78.83,32.95) 78.76,32.95 78.62,33.09 78.22,33.09 78.16,33.15 U14.T21 ; 81.15,32.85 C94.1
  Top Layer w0.1: U14.K21 77.98,36.15 78.03,36.2 78.49,36.2 78.57,36.28 v2(78.65,36.28)
  Top Layer w0.12: 94.34,31.69 94.36,31.69 ; 85.47,37.37 85.54,37.29 ; 88.74,37.29 88.74,37.39 ; 92.74,30.3 v2(92.74,30.39)
  Top Layer w0.15: U14.F21 78.48,38.15 78.56,38.23 v2(78.63,38.23) ; v2(72.97,38.18) 72.97,38.07 73.39,37.66 ; v2(78.08,30.23) 78.08,30.55 U14.AA21
  Top Layer w0.175: 77.95,40.65 77.99,40.65 78.07,40.73 78.35,40.73 v2(78.38,40.75) ; 74.48,33.99 74.64,34.15
  Top Layer w0.2: v1(100.15,51.63) C58.1 ; R8.1 v1(67.55,87.88) ; v1(40.62,25.08) 41.22,25.67 ; v1(40.62,25.08) 39.62,24.08 ; v1(40.62,25.08) 41.63,24.08 U19.26 43.43,24.08 43.46,24.1 43.83,24.1 v1(43.85,24.13) ; v1(40.62,25.08) 40.43,25.28 ; 41.22,25.67 42.77,25.67 42.77,25.68 U19.30 v2(43.8,25.68) ; 41.22,25.67 42.02,26.48 U19.32 43.61,26.48 43.76,26.63 v1(43.85,26.63) ; v2(110.4,46.93) U12.J10 v2(110.4,47.58) ; v2(110.4,46.93) U12.K9 v2(109.75,46.93) ; v2(110.4,46.93) U12.J9 ; v2(110.4,46.93) U12.K10 ; C32.1 32.12,61.45 v1(32.45,61.78) ; C32.1 C35.1 ; C32.1 32.32,60.8 U8.2 ; U14.P7 71.3,34.15 71.35,34.1 71.44,34.1 ; 21.84,18.84 U25.2 20.41,18.85 v1(19.67,18.85) ; 21.84,18.84 U25.13 21.84,18.84 ; 21.84,18.84 20.79,17.79 ; 21.84,18.84 21.84,18.84 ; 21.84,18.84 22.89,19.89 ; v1(32.95,24.98) 32.95,25.73 33,25.78 C116.1 ; v1(100.97,18.43) C138.1 ; v1(96.17,58.15) C36.2 ; C69.1 v1(118.4,43.38) ; v2(109.1,48.88) U12.G8 ; v2(109.1,48.88) U12.F8 v2(109.75,48.88) ; v2(109.1,48.88) U12.G7 ; v2(109.1,48.88) U12.F7 v2(108.45,48.88) ; U12.G8 v2(109.75,48.88) ; U12.G8 v2(109.75,48.23) ; U12.G8 v2(109.1,48.23) ; v2(109.1,46.93) U12.J8 ; v2(109.1,46.93) U12.J7 ; v2(109.1,46.93) U12.K7 v2(108.45,46.93) ; v2(109.1,46.93) U12.K8 v2(109.75,46.93) ; U12.J8 v2(109.75,46.93) ; U12.J8 v2(109.75,47.58) ; U12.J8 v2(109.1,47.58) ; v1(83.4,20.96) U23.1 ; C103.2 62.95,29.15 62.95,29.83 63.2,30.08 ; 60.65,27.97 60.35,28.27 v1(60.35,29.93) 60.35,31.28 v1(60.85,31.78) 62.52,31.78 62.53,31.77 v1(62.53,31.75) ; v2(109.75,46.93) U12.J9 ; U12.J9 v2(110.4,47.58) ; U12.J9 v2(109.75,47.58) ; v2(108.45,46.93) U12.J7 ; v2(108.45,46.93) U12.K6 ; v2(108.45,46.93) U12.J6 v2(108.45,47.58) ; U12.J7 v2(108.45,47.58) ; U12.J7 v2(109.1,47.58) ; v2(75.8,32) 75.8,32.03 ; 75.8,32.03 75.69,32.14 75.48,32.14 U14.V16 ; 75.8,32.03 75.91,31.92 75.91,31.76 75.97,31.7 75.97,31.66 U14.W17 U14.W16 75.47,32.1 75.45,32.13 ; v2(108.45,48.23) U12.H7 ; v2(108.45,48.23) U12.G6 v2(108.45,48.88) ; v2(108.45,48.23) U12.H6 v2(108.45,47.58) ; v2(108.45,48.23) U12.G7 ; U12.H7 v2(109.1,48.23) ; U12.H7 v2(108.45,47.58) ; U12.H7 v2(109.1,47.58) ; U14.M12 v2(74.5,35.15) 74.52,35.15 74.97,35.6 74.97,35.64 U14.L15 v2(75.53,35.65) U14.L17 ; U14.M12 U14.K12 ; U14.M12 U14.M11 ; U14.T17 75.97,33.14 75.52,33.14 75.54,33.13 ; 32.17,38.45 U15.2 ; 32.17,38.45 32.12,38.4 C85.1 ; 32.17,38.45 C80.1 32.12,39.05 v1(32.45,39.38) ; v1(17.6,18.15) 18.26,18.15 R147.1 ; v1(37.27,89.45) 37.05,89.23 C11.1 ; C64.1 v1(118.08,47.38) ; v1(39.25,21.2) 39.62,21.58 U19.15 39.62,24.08 ; 71.47,33.97 U14.R8 71.86,33.26 71.86,33.11 v2(71.9,33.08) 71.9,32.73 71.97,32.66 U14.U9 ; v1(118.4,49.25) 117.77,49.25 C62.1 ; v1(43.65,56.85) C37.1 ; v2(108.45,48.88) U12.G7 ; v2(108.45,48.88) U12.F6 ; C152.1 v1(73.92,18.68) ; 71.9,32.08 71.83,32.15 U14.V8 ; U24.1 65.2,20.93 64.15,21.98 v1(63.8,21.98) 62.77,21.98 C130.1 62.45,22.05 62.45,20.98 C135.1 ; v1(26.02,18.2) 25.41,18.2 C156.1 ; 73.9,59.77 74.83,59.77 74.87,59.73 v1(74.87,58.63) ; v1(64.65,11.75) X5.4 ; v1(64.65,11.75) C164.1 61.48,11.75 v1(61.2,11.48) ; v1(64.65,11.75) 65.28,11.75 65.65,12.13 v1(65.65,13.03) 65.65,14.05 v1(65.3,14.4) v2(63.3,14.4) ; v1(62.53,31.75) 64.6,31.75 64.65,31.7 64.7,31.75 v2(65.02,31.43) ; v1(62.53,31.75) 62.53,30.67 63.12,30.08 63.2,30.08 ; U34.2 14.17,14.19 14.17,14.18 v1(14.17,13.73) ; U12.M1 104.85,45.28 v1(104.22,45.28) ; 72.47,35.68 U14.K10 ; U14.K10 v2(72.47,37.13) ; U14.K10 U14.K11 ; U14.K10 v2(71.45,36.15) ; R134.1 v1(107.12,23.03) ; v2(110.4,47.58) U12.H9 ; v2(110.4,47.58) U12.H10 v2(110.4,48.23) ; v1(61.2,14.38) C159.1 62.18,14.4 v2(63.3,14.4) ; v1(22.2,90.15) 22.2,91.5 ; R27.1 v1(32.8,66.3) ; v1(76.98,18.6) 77.02,18.6 77.35,18.28 U26.3 ; C229.1 v1(32.8,46.55) ; C10.1 29.03,89.37 29.18,89.37 29.38,89.58 29.4,89.58 29.42,89.6 29.52,89.6 29.7,89.78 29.39,90.09 29.06,90.09 C117.1 ; U29.3 98.68,18.13 98.37,18.43 v1(98.37,19.3) ; R143.1 109.42,18.12 109.42,17.67 v1(109.1,17.35) ; 72.97,34.23 72.97,33.64 72.9,33.57 v2(72.9,33.1) ; 72.97,34.23 v2(72.95,34.23) ; 72.97,34.23 U14.M11 ; C109.1 115.35,28.33 v2(115.92,28.33) ; v2(73.9,33.1) 73.97,33.1 U14.U13 ; U1.40 108.28,89.15 107.77,89.15 106.77,89.15 v1(106.38,88.75) ; U12.H8 v2(109.75,47.58) ; U12.H8 v2(109.75,48.23) ; U12.H8 v2(109.1,48.23) ; U12.H8 v2(109.1,47.58) ; v2(109.75,47.58) U12.H9 ; 70.44,38.27 v2(70.44,38.27) 70.44,38.32 70.43,38.33 70.47,38.38 70.47,38.64 ; 70.44,38.27 70.34,38.18 70,38.18 U14.F5 U14.E5 69.98,38.64 70.47,38.64 ; 70.44,38.27 70.43,38.27 70.42,38.28 ; C96.1 48.7,33.6 v2(49.1,33.2) ; U20.12 113.4,20.68 v1(113.2,20.48) ; C136.1 75.4,19.75 75.32,19.83 75.32,19.83 v1(74.12,19.83) ; v1(58.45,5.7) 57.83,5.7 57.47,6.05 R160.1 ; v1(40.97,64) C28.1 ; v1(27.92,16.75) 27.92,17.43 C155.2 ; C61.1 103.4,49.78 v1(104.05,49.13) 104.3,48.88 105.2,48.88 U12.F2 ; R146.1 C158.1 64.02,15.28 v1(64.27,15.03) ; C154.1 v1(63,18.08) ; v1(45.68,30.9) v2(45.68,33.03) C95.1 ; v1(45.68,30.9) X3.4 ; v1(45.68,30.9) 45.68,30.38 45.97,30.08 47.98,30.08 48.45,30.55 48.45,32.25 ; R101.2 41.45,36.5 v1(41.02,36.5) 41.02,35.28 41.12,35.18 C91.2 ; v1(40.97,58.7) R47.2 ; U14.L5 69.98,35.66 70.18,35.66 70.3,35.78 v2(70.35,35.78) 70.65,35.48 70.67,35.48 70.9,35.24 70.9,35.23 70.98,35.16 U14.M7 71.43,35.15 v2(71.45,35.13) 71.47,35.15 U14.M10 ; v1(99.88,42.33) R84.1 R87.1 ; R156.1 v1(63.62,8.4) ; U12.G7 v2(109.1,48.23) ; 101.7,64.23 R33.1 ; R70.1 v1(32.8,45.6) ; C126.1 49.58,23.02 v1(49.58,22.5) ; v1(15.03,78.85) C24.1 ; v1(43.8,34.5) C89.1 ; 40.43,25.28 U19.6 37.45,25.28 37.37,25.35 v1(37.28,25.35) ; 40.43,25.28 40.03,25.68 U19.41 v2(40.02,28.83) ; R24.1 32.17,68.1 v1(32.8,68.1) ; v1(80.87,62.5) C29.2 ; R128.2 C118.2 72.5,25.7 v2(71.65,25.7) ; C133.1 v1(58.68,19.4) ; 71.44,34.1 v2(71.45,34.1) ; 71.44,34.1 71.42,34.08 ; 39.62,24.08 39.23,23.68 U19.10 v1(37.27,23.68) ; C42.1 102.8,55.9 v1(102.8,55.68) ; R23.2 29.32,75.33 v1(30.38,75.33) ; v1(108.83,90.55) 108.36,90.09 U1.42 ; C137.1 v1(94.5,20.95) ; 111.12,92.78 111.12,93.28 C2.1 ; C157.1 v1(49.93,16.43) ; C67.1 v1(118.4,45.38) ; 63.2,30.08 63.3,30.18 C98.1 v2(64.95,30.18) ; U14.D16 75.47,38.33 75.53,38.28 v2(75.53,38.23) 75.58,38.23 75.65,38.15 U14.F17 ; v1(110.67,82.25) C21.1 C20.1 ; v1(110.35,39.53) C78.1 ; U1.29 106.28,87.15 v1(106.38,87.25) 106.75,86.88 U1.35 ; C63.1 v1(118.4,48.3) ; v2(65.37,35.83) v2(64.35,36.85) v1(62.98,36.85) C88.2 v1(60.6,36.85) 59.25,36.85 v1(58.97,36.58) v1(58.97,35.19) v1(58.97,33.8) 59.22,33.55 v1(60.65,33.55) C93.2 v1(63.03,33.55) 63.55,33.55 v2(64,34) 64.38,34.38 v2(65.4,34.38) ; v1(79.27,18.65) 79.68,18.25 U27.3 ; CN15.10 v1(30.47,65.1) ; v2(109.75,48.23) U12.H9 ; v2(109.75,48.23) U12.G9 ; U12.H9 v2(110.4,48.23) ; 96.78,35.67 97.07,35.38 v2(97.15,35.38) ; 25.94,17.21 R148.1 25.39,18.18 25.4,18.18 ; v2(67.3,36.25) 67.4,36.15 U14.K1 ; U1.19 104,86.88 v1(104.37,87.25) ; v1(53.13,40.38) 52.6,40.38 R93.2 C79.1 ; C170.1 54.9,6.35 v1(54.9,5.7) ; v2(110.4,48.23) U12.G9 ; v2(110.4,48.23) U12.G10 v2(110.4,48.88) ; C60.1 v1(118.08,50.15) ; U12.H12 v2(111.7,48.23) U12.G12 v2(111.7,48.88) U12.F12 ; C48.1 v1(110.35,56.5) ; U14.H7 70.98,37.15 71.37,37.15 v2(71.37,37.15) 71.37,37.2 71.33,37.25 71.33,37.5 U14.G8 ; v2(76.47,30.23) U14.AA18 ; C47.1 v1(109.42,56.5) ; U14.M10 72.47,35.62 ; U14.M10 U14.M11 ; R25.2 v1(47.87,68.03) ; U14.K12 U14.J12 73.48,36.66 73.48,37.16 73.5,37.18 v2(73.5,37.2) 73.48,37.2 U14.G12 73.47,37.66 73.39,37.66 ; U14.K12 74.48,36.15 v2(74.5,36.18) ; U14.K12 U14.K11 ; 75.47,32.18 75.47,32.97 75.58,33.07 v2(75.58,33.13) ; v1(111.22,56.5) 111.22,55.8 C49.1 ; v1(60.62,27.95) 60.7,27.95 61.1,27.55 v1(62.37,27.55) 64.08,27.55 65.02,28.49 v1(65.02,29.1) ; C26.1 29,78.05 v1(30.38,78.05) ; v1(50.55,14.93) 52.25,14.93 52.93,14.25 U33.11 ; v1(97.85,55.93) 98.2,56.28 U11.2 ; C147.1 v1(113.2,18.08) 114.25,18.08 C149.1 ; R76.1 v1(32.8,43.75) ; v1(101.9,18.43) C139.1 ; R38.2 C30.1 v1(53.12,61.58) ; v1(92.6,52.45) C51.1 ; v1(15.05,78.05) C25.1 ; U14.M11 v2(72.97,35.65) U14.K11 ; v1(100.15,50.7) C59.1 ; U22.4 13.46,22.74 ; U1.21 102.41,85.91 101.92,85.43 v1(101.9,85.43) ; v1(13.47,22.13) 13.47,22.24 13.46,22.26 ; U31.2 91.65,18.65 ; C65.1 R68.2 100.88,45.13 C68.1 v1(100.2,44.4) ; U14.H15 74.97,37.16 74.77,37.16 74.65,37.28 74.6,37.23 v2(74.58,37.23) 74.58,37.28 74.48,37.37 74.48,37.64 U14.G14 ; v1(31.65,91.53) C5.1 31,90.95 30.88,90.83 ; U12.D5 v2(107.8,50.18) U12.D6 v2(108.45,50.18) U12.D7 v2(109.1,50.18) U12.D8 v2(109.75,50.18) U12.D9 ; v1(73.65,83.28) C23.1 73.62,82.78 73,82.78 C22.1 72.42,82.93 72.17,82.68 U5.6 ; v1(37.38,87.05) 37.28,87.05 37.11,87.23 C14.1 ; U20.16 v1(116.62,22.4) ; v1(24.97,10.76) C162.2 ; v2(63.3,14.4) X5.2 ; R74.1 v1(118.4,44.38) ; v1(81.55,56.65) R49.1 ; v1(80.55,60.43) C34.1 ; v1(38.6,39.25) 38.75,39.1 C81.2 ; C151.1 25.38,19.48 v1(25.38,20.15) ; 114,92.9 C3.1 ; v2(109.75,48.88) U12.F9 v2(110.4,48.88) ; v2(109.75,48.88) U12.G9 ; U1.1 107.63,90.95 v1(107.73,91.05) ; X1.2 103.23,47.3 104.15,48.23 105.2,48.23 U12.G2 ; C148.1 v1(116.17,18.75) ; v1(86.52,52.35) C56.1 ; v1(100.15,52.55) C57.1 ; 21.84,18.84 21.84,18.84 ; 21.84,18.84 20.79,19.89 ; C108.1 114.37,28.38 v1(113.7,28.38) ; v1(48.8,11.15) 49.02,10.93 C168.1 C165.1 ; C46.1 v1(107.42,56.43) ; v1(96.17,57.23) C41.1 ; v2(49.1,33.2) 49.1,32.9 48.45,32.25 ; v2(49.1,33.2) 49.3,33.2 49.73,33.63 C90.1 50.35,34.5 C92.1 ; R69.2 v1(47.87,45.65) ; 107.92,81.18 C19.1 107.12,81.68 106.77,82.03 C18.1 ; U2.D5 v3(33.17,88.15) ; C125.1 34.13,24.25 v1(33.15,24.25) ; C54.1 v1(82.58,54.58) ; C163.1 v1(49.92,13.45) ; U12.G9 v2(110.4,48.88) ; R7.1 v1(66.47,87.88) ; R59.1 61.35,65.8 61.3,65.85 v1(61.3,66.4) ; 19.2,91.5 CN1.7 v1(19.2,92.88) ; v3(32.38,88.95) U2.D3 ; v1(16.2,92.88) CN1.4 16.2,91.5 ; v1(32.42,35.2) 32.12,34.9 R110.1 ; v1(104.03,44.35) 104.09,44.35 104.32,44.58 104.79,44.58 104.86,44.65 U12.N1 ; v1(45.63,20.7) 45.63,21 C132.1 ; v1(28.22,88.08) C12.1 ; C161.1 15.62,14.53 v1(15.62,13.9) ; v1(13.97,11.38) C166.1 ; v1(99.92,53.9) C55.1 ; 48.45,32.25 X3.2 ; v1(84.25,58.93) U9.3 ; 70.47,38.64 U14.E6 ; v1(40.32,57.48) C39.2 ; v1(85.08,56.53) R53.1 ; U1.12 101.96,90.09 v1(101.77,89.9) ; v1(50.35,5.38) 52.25,7.28 R158.1 ; C169.1 v1(63.7,9.4) ; v1(101.08,20.9) U21.4 ; v2(75.02,25.18) C119.1 ; U14.R14 74.48,33.99 ; v1(81.47,61.35) C31.1 ; U28.3 96.35,18.1 v1(95.9,18.55) ; C143.1 41.76,19.01 41.76,18.49 v2(41.75,18.48) ; R159.1 v1(56.52,8) ; v1(104.15,55.7) C43.1 ; v1(40.97,41.35) 41.3,41.35 C71.1 ; 108.47,91.65 C4.1 ; v1(32.5,57.48) 32.5,57.13 R52.1 ; U30.2 v1(72.65,18.63) ; 94.35,36.5 94.39,36.46 94.39,36.25 94.74,35.9 94.74,35.38 v2(94.75,35.37) ; v1(109.42,39.48) C77.1 ; U32.3 113.75,16.15 v1(113.17,16.73) ; U1.32 107.63,85.53 107.78,85.38 v1(108.3,85.38) U1.33 ; C153.1 v1(92.92,18.13) ; v1(108.47,39.63) 108.47,40.23 C76.1 ; v2(72.97,38.18) U14.E11 ; R44.1 81.58,59.43 81.25,59.75 v1(81.25,59.78) ; 66.98,35.15 U14.M1 ; v1(78.65,22.68) C124.1 ; v2(110.4,48.88) U12.F10 ; CN1.1 v1(13.2,92.9) ; v1(102.83,18.43) C140.1 ; U12.M9 v2(109.75,45.63) U12.M8 ; R145.1 18.26,19.55 v1(17.6,19.55) ; U14.F18 v2(76.47,38.65) ; v1(111.27,39.83) C73.1 ; v1(55.75,19) C150.1 ; U14.U11 72.97,33.1 ; R66.1 v1(118.4,46.38) ; 74.64,34.15 U14.P15 ; 108.42,94.2 C1.1 ; C33.2 v1(38.75,61.45) ; 109.17,63.73 C27.1 ; v1(105.08,55.68) C44.1 ; C72.1 63.3,41.98 ; v1(87.87,51.83) C52.1 ; v1(16.77,13.92) 16.77,14.49 ; 67.56,33.15 U14.T1 ; 70.47,32.66 70.5,32.68 70.5,32.92 70.4,33.02 v2(70.4,33.08) 70.35,33.08 70.27,33.15 U14.T5 U14.U5 U14.U6 70.47,32.66